# Altium PCB Temp Module B1 Sample.PcbDoc (part 2 of 3)
Units mil, origin at the board's own origin, x right, y up, seen from the top; angles counter-clockwise.
Board outline 5590 x 2795 mil, 4 copper layers (Top Layer, Int1 (GND), Int2 (PWR), Bottom Layer), stack 53.912 mil thick; 273 components, 187 nets, 896 pads, 529 vias.
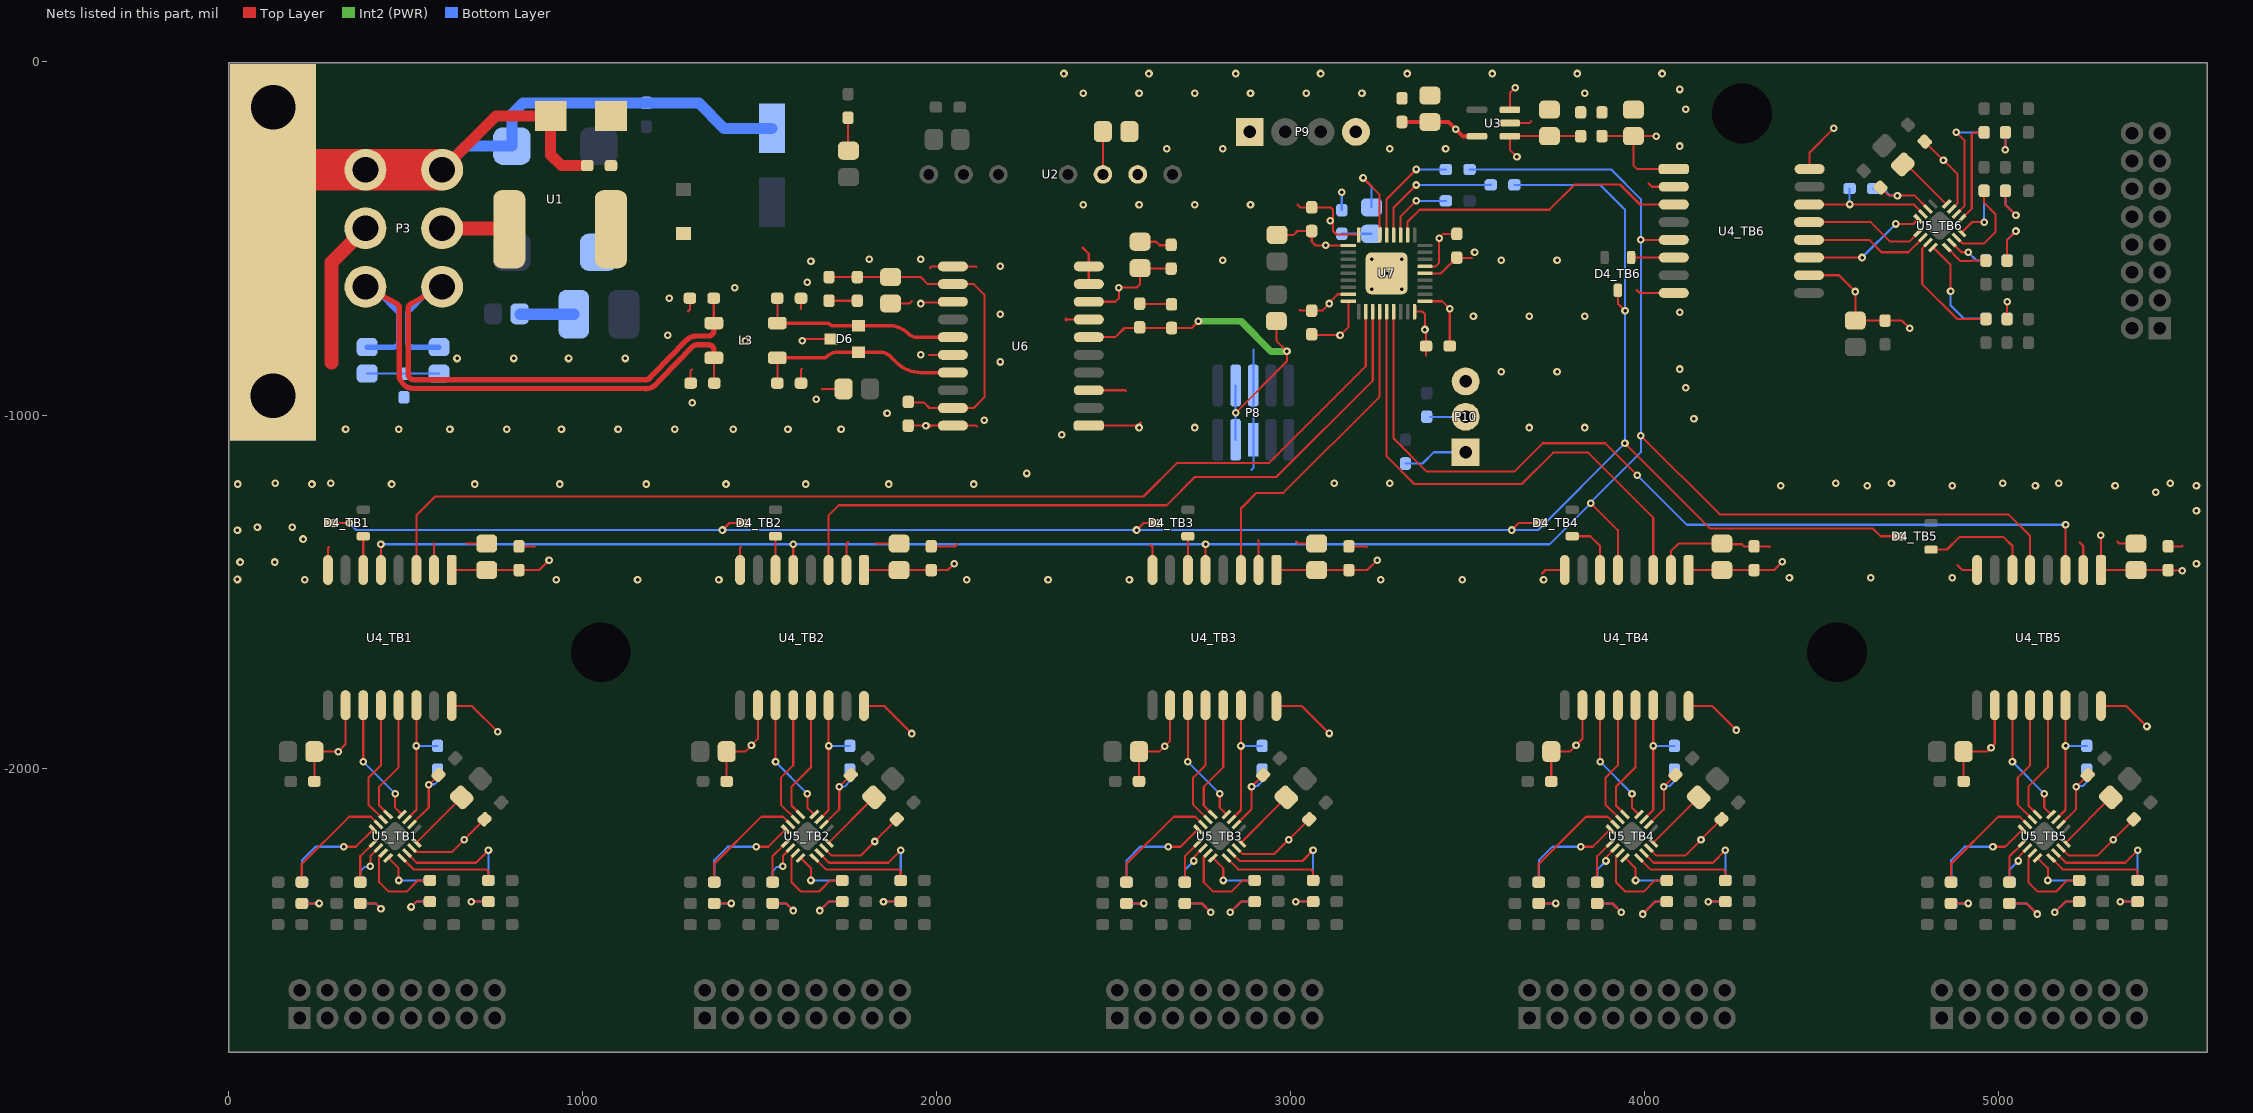
[diagram p4: the nets of this part, all layers, seen from the top]

## Via types
v1: diameter 21.65, hole 9.84, Top Layer to Bottom Layer, 527 vias
v2: diameter 157.48, hole 125.98, Top Layer to Bottom Layer, 2 vias

## Nets (pads, with @x,y where several pads share a name; then routed paths per layer and width w, separated by ;. In a path a pad name is that pad's centre, name@x,y a point inside that pad or via, vN(x,y) a via of type N, cw(c..) or ccw(c..) an arc to the next point about the centre after c; other vN are vias at no path point) (continued)
0V_(ISO): C3.1 C8.1 C9.1 C10.1 C11.1 C17_TB1.1 C17_TB2.1 C17_TB3.1 C17_TB4.1 C17_TB5.1 C17_TB6.1 C18_TB1.1 C18_TB2.1 C18_TB3.1 C18_TB4.1 C18_TB5.1 C18_TB6.1 C28.1 C32.1 C33.1 C35.2 C41.1 C42.1 C43.1 C44.1 P8.5 P8.6 P9.1 P10.3 U2.7 U3.2 U4_TB1.2 U4_TB1.8 U4_TB2.2 U4_TB2.8 U4_TB3.2 U4_TB3.8 U4_TB4.2 U4_TB4.8 U4_TB5.2 U4_TB5.8 U4_TB6.2 U4_TB6.8 U6.1 U6.3 U6.7 U6.9 U6.10 U7.5 U7.18 U7.26 U7.36 U7.37 | length 3367.9
  Top Layer w5.98: U4_TB1.8@280,-1437.98 280,-1376.5 283.46,-1373.03 ; U4_TB1.2@580,-1437.98 580,-1363.9 580.71,-1363.19 ; 672.24,-1362.2 673.22,-1363.18 C17_TB1.1@728.97,-1363.18 ; C18_TB1.1@820,-1371.05 863.18,-1371.05 864.17,-1372.05 ; U4_TB2.8@1445,-1437.98 1445,-1374.88 1446.85,-1373.03 ; U4_TB2.2@1745,-1437.98 1745,-1364.25 1750.98,-1358.27 ; 1827.76,-1362.2 1828.73,-1363.18 C17_TB2.1@1893.97,-1363.18 ; C18_TB2.1@1985,-1371.05 2052.18,-1371.05 2059.06,-1364.17 ; 2366.46,-730 U6.7@2430,-730 ; 2412.4,-526.57 2430,-544.17 U6.10@2430,-580 U6.9@2430,-630 ; U6.1@2430,-1030 2568.43,-1030 2577.76,-1020.67 ; U6.3@2430,-930 2532.36,-930 2534.45,-932.09 ; C28.1@2574.93,-686.16 C33.1@2663,-686.16 ; C35.2@2575,-510.2 2620.2,-510.2 2630.2,-520.2 C32.1@2663.97,-520.2 ; 2604.33,-1367.13 2610,-1372.8 U4_TB3.8@2610,-1437.98 ; 2909.45,-1353.35 2910,-1353.9 U4_TB3.2@2910,-1437.98 ; 3015.75,-1357.28 3021.64,-1363.18 C17_TB3.1@3073.97,-1363.18 ; 3019.68,-405.51 3027.24,-413.07 C41.1@3060,-413.07 3113.07,-413.07 3120,-420 3120,-480 3130,-490 3192.91,-490 3192.99,-490.08 U7.18@3192.99,-491.42 ; 3025.59,-702.76 3027.83,-705 C43.1@3060,-705 3090,-705 v1(3110,-685) ; v1@3110,-685.75 3110,-682.38 3133.64,-658.74 U7.26@3163.46,-658.74 ; C18_TB3.1@3165,-1371.05 3213.57,-1371.05 3215.55,-1373.03 ; U7.36@3350.47,-707.95 3372.95,-707.95 3380,-715 3380,-762.7 3383.07,-765.78 3383.07,-831.5 3382.87,-831.69 ; U7.5@3380,-599.69 3425.31,-599.69 C42.1@3470,-555 3471.1,-556.1 3512.8,-556.1 ; U3.2@3620,-175 3675,-175 3680,-170 ; 3710.63,-1447.83 3720.48,-1437.98 U4_TB4.8@3775,-1437.98 ; 3978.35,-646.65 3986.69,-655 U4_TB6.8@4082.98,-655 ; 4011.81,-345.47 4021.34,-355 U4_TB6.2@4082.98,-355 ; U4_TB4.2@4075,-1437.98 4075,-1384.65 4096.47,-1363.18 C17_TB4.1@4218.97,-1363.18 4220.79,-1365 4275,-1365 4281.05,-1371.05 C18_TB4.1@4310,-1371.05 4352.35,-1371.05 4354.33,-1373.03 ; 4884.84,-1424.21 4898.61,-1437.98 U4_TB5.8@4940,-1437.98 ; 5230.31,-1360.24 5240,-1369.92 U4_TB5.2@5240,-1437.98 ; 5336.61,-1357.28 5342.51,-1363.18 C17_TB5.1@5388.97,-1363.18 ; C18_TB5.1@5480,-1371.05 5518.71,-1371.05 5520.67,-1369.09
  Top Layer w10: 2366.14,-730.32 2366.46,-730 ; C28.1@2573.97,-685.2 C28.1@2574.93,-686.16 ; C33.1@2663,-686.16 C33.1@2663.97,-687.13
  Bottom Layer w5.98: 2890,-1155 2895,-1150 P8.5@2895,-1070 P8.6@2895,-916.46 2895,-815
  other v1: 24.61,-1464.57 215,-1465 925,-1465 1155,-1465 1385,-1465 2085,-1465 2315,-1465 2545,-1465 3255,-1465 3485,-1465 3715,-1465 4410,-1460 4640,-1460 4870,-1460 5560,-1420 31.89,-1415.28 130.32,-1415.28 209.84,-1350.35 24.61,-1325.79 81.1,-1316.85 179.53,-1316.85 5560,-1270 5445.28,-1218.43 4385,-1200 4630,-1200 4870,-1200 5105,-1200 5330,-1200 5560,-1200 25,-1195 235,-1195 460,-1195 695,-1195 935,-1195 1180,-1195 1405,-1195 1630,-1195 1865,-1195 2105,-1195 131.1,-1192.87 288.58,-1192.87 3123.23,-1192.87 3280.71,-1192.87 4540.55,-1192.87 4698.03,-1192.87 5012.99,-1192.87 5170.47,-1192.87 5485.43,-1192.87 2255,-1165 2353.35,-1056.1 2572.05,-1035.39 2729.53,-1035.39 3674.41,-1035.39 3831.89,-1035.39 4140,-1010 4116.54,-923.15 3595.67,-877.91 3753.15,-877.91 4100,-870 3380,-758.46 3516.93,-720.43 3674.41,-720.43 3831.89,-720.43 4100,-710 3230,-645 3315,-645 3271.73,-599.69 2808.27,-562.95 3595.67,-562.95 3753.15,-562.95 3230,-559.25 3315,-559.25 3520,-540 3112.74,-450.74 2414.57,-405.47 2572.05,-405.47 2729.53,-405.47 2887.01,-405.47 2650.79,-247.99 2808.27,-247.99 3280.71,-247.99 3438.19,-247.99 4100,-240 4116.54,-135.75 2414.57,-90.51 2572.05,-90.51 2729.53,-90.51 2887.01,-90.51 3044.49,-90.51 3201.97,-90.51 3831.89,-90.51 4100,-80 2360,-35 2600,-35 2845,-35 3085,-35 3330,-35 3570,-35 3810,-35 4050,-35
3V3: C10.2 C11.2 C28.2 C33.2 C41.2 C42.2 C43.2 C44.2 P8.7 P8.8 P9.4 P10.1 R26.2 R29.2 R30.2 R31.2 U3.5 U6.6 U7.1 U7.6 U7.19 U7.27 | length 2342.3
  Top Layer w5.98: U6.6@2430,-780 2505,-780 2530.94,-754.06 C33.2@2663.97,-754.06 2720.94,-754.06 v1(2740,-735) ; v1(2845,-993.23) 2990,-848.23 v1(2990,-820) 2960,-790 R30.2@2960,-734.8 ; R29.2@2962.06,-490.94 3009.06,-490.94 3020,-480 C41.2@3060,-480 3060,-510 3070.94,-520.94 U7.19@3163.46,-520.94 ; C43.2@3060,-771.93 3061.54,-773.46 3138.46,-773.46 v1(3140,-775) 3163.46,-751.54 U7.27@3163.46,-678.43 ; U7.1@3380,-678.43 3428.43,-678.43 v1(3450,-700) C44.2@3450,-805 ; U7.6@3380,-580 3380.08,-579.92 3410.08,-579.92 3420,-570 v1(3420,-500) 3431.93,-488.07 C42.2@3470,-488.07
  Top Layer w11.81: C10.2@3315,-171.93 C11.2@3393.97,-171.93 3446.93,-171.93 3487.4,-212.4 U3.5@3527,-212.4
  Int2 (PWR) w19.68: v1(2740,-735) 2860,-735 2945,-820 v1(2990,-820)
  Bottom Layer w5.98: P8.7@2845,-1070 v1(2845,-993.23) P8.8@2845,-916.46 ; R26.2@3145,-420.94 v1(3145,-370) ; R31.2@3325,-1136.93 3373.07,-1136.93 3405,-1105 P10.1@3495,-1105
  other v1: 3100,-520 3467.16,-192.16
3V3_TEMP_TB1: C19_TB1.2 C20_TB1.2 C26_TB1.2 C27_TB1.2 R6_TB1.2 R7_TB1.2 R10_TB1.2 R11_TB1.2 R14_TB1.2 R15_TB1.2 R18_TB1.2 R19_TB1.2 R22_TB1.2 U4_TB1.10 U4_TB1.16 U5_TB1.7 U5_TB1.10 | length 1375.6
  Top Layer w5.98: R6_TB1.2@206.22,-2380 v1(255,-2380) ; C20_TB1.2@241.93,-2035 C19_TB1.2@241.93,-1951.03 v1(308.97,-1951.03) 330,-1930 U4_TB1.10@330,-1819.96 ; R14_TB1.2@371.57,-2380 415,-2380 v1(430,-2395) ; v1(515,-2390) 530,-2375 R7_TB1.2@568.43,-2375 ; U5_TB1.7@517.33,-2223.41 517.44,-2223.41 529.13,-2235.1 629.9,-2235.1 C26_TB1.2@722.67,-2142.33 ; U5_TB1.10@517.33,-2156.26 U5_TB1.10@517.33,-2156.59 565,-2108.92 v1(565,-2045) C27_TB1.2@592.67,-2017.33 ; U4_TB1.16@630,-1821.98 686.98,-1821.98 v1(760,-1895) ; v1(685,-2375) R15_TB1.2@733.78,-2375
  Bottom Layer w5.98: R10_TB1.2@206.93,-2380 v1(255,-2380) ; R18_TB1.2@371.57,-2380 415,-2380 v1(430,-2395) ; v1(515,-2390) 530,-2375 R11_TB1.2@568.43,-2375 ; v1(565,-2045) 566.85,-2043.15 581.85,-2043.15 590,-2035 R22_TB1.2@590,-2001.93 ; v1(685,-2375) R19_TB1.2@733.78,-2375
  other v1: 665,-2200
3V3_TEMP_TB2: C19_TB2.2 C20_TB2.2 C26_TB2.2 C27_TB2.2 R6_TB2.2 R7_TB2.2 R10_TB2.2 R11_TB2.2 R14_TB2.2 R15_TB2.2 R18_TB2.2 R19_TB2.2 R22_TB2.2 U4_TB2.10 U4_TB2.16 U5_TB2.7 U5_TB2.10 | length 1421.3
  Top Layer w5.98: R6_TB2.2@1371.22,-2380 v1(1420,-2380) ; C20_TB2.2@1406.93,-2035 C19_TB2.2@1406.93,-1951.03 1458.97,-1951.03 1495,-1915 U4_TB2.10@1495,-1819.96 ; R14_TB2.2@1536.57,-2380 1575,-2380 v1(1595,-2400) ; v1(1670,-2400) 1695,-2375 R7_TB2.2@1733.43,-2375 ; U5_TB2.7@1682.33,-2223.41 1682.44,-2223.41 1704.03,-2245 1785,-2245 C26_TB2.2@1887.67,-2142.33 ; U5_TB2.10@1682.33,-2156.59 1725,-2113.92 v1(1725,-2050) C27_TB2.2@1757.67,-2017.33 ; U4_TB2.16@1795,-1821.98 1851.98,-1821.98 v1(1930,-1900) ; v1(1850,-2375) R15_TB2.2@1898.78,-2375
  Bottom Layer w5.98: R10_TB2.2@1371.93,-2380 v1(1420,-2380) ; R18_TB2.2@1536.57,-2380 1575,-2380 v1(1595,-2400) ; v1(1670,-2400) 1695,-2375 R11_TB2.2@1733.43,-2375 ; v1(1725,-2050) 1725.07,-2049.93 1740.07,-2049.93 1755,-2035 R22_TB2.2@1755,-2001.93 ; v1(1850,-2375) R19_TB2.2@1898.78,-2375
  other v1: 1825,-2205 1476.98,-1933.02
3V3_TEMP_TB3: C19_TB3.2 C20_TB3.2 C26_TB3.2 C27_TB3.2 R6_TB3.2 R7_TB3.2 R10_TB3.2 R11_TB3.2 R14_TB3.2 R15_TB3.2 R18_TB3.2 R19_TB3.2 R22_TB3.2 U4_TB3.10 U4_TB3.16 U5_TB3.7 U5_TB3.10 | length 1483.3
  Top Layer w5.98: R6_TB3.2@2536.22,-2380 v1(2585,-2380) ; C20_TB3.2@2571.93,-2035 C19_TB3.2@2571.93,-1951.03 2628.97,-1951.03 2660,-1920 U4_TB3.10@2660,-1819.96 ; R14_TB3.2@2701.57,-2380 2750,-2380 v1(2775,-2405) ; v1(2830,-2405) 2860,-2375 R7_TB3.2@2898.43,-2375 ; U5_TB3.7@2847.33,-2223.41 2847.44,-2223.41 2864.03,-2240 2955,-2240 C26_TB3.2@3052.67,-2142.33 ; U5_TB3.10@2847.33,-2156.26 U5_TB3.10@2847.33,-2156.59 2890,-2113.92 v1(2890,-2050) C27_TB3.2@2922.67,-2017.33 ; U4_TB3.16@2960,-1821.98 3031.98,-1821.98 v1(3109.72,-1899.72) ; v1(3015,-2375) R15_TB3.2@3063.78,-2375
  Bottom Layer w5.98: R10_TB3.2@2536.93,-2380 v1(2585,-2380) ; R18_TB3.2@2701.57,-2380 2750,-2380 v1(2775,-2405) ; v1(2830,-2405) 2860,-2375 R11_TB3.2@2898.43,-2375 ; v1(2890,-2050) 2891.85,-2048.15 2906.85,-2048.15 2920,-2035 R22_TB3.2@2920,-2001.93 ; v1(3015,-2375) R19_TB3.2@3063.78,-2375
  other v1: 2995,-2200 2644.48,-1935.52
3V3_TEMP_TB4: C19_TB4.2 C20_TB4.2 C26_TB4.2 C27_TB4.2 R6_TB4.2 R7_TB4.2 R10_TB4.2 R11_TB4.2 R14_TB4.2 R15_TB4.2 R18_TB4.2 R19_TB4.2 R22_TB4.2 U4_TB4.10 U4_TB4.16 U5_TB4.7 U5_TB4.10 | length 1459.6
  Top Layer w5.98: R6_TB4.2@3701.22,-2380 v1(3750,-2380) ; C20_TB4.2@3736.93,-2035 C19_TB4.2@3736.93,-1951.03 3788.97,-1951.03 3825,-1915 U4_TB4.10@3825,-1819.96 ; R14_TB4.2@3866.57,-2380 3910,-2380 v1(3935,-2405) ; v1(3995,-2410) 4030,-2375 R7_TB4.2@4063.43,-2375 ; U5_TB4.7@4012.33,-2223.41 4012.44,-2223.41 4034.03,-2245 4115,-2245 C26_TB4.2@4217.67,-2142.33 ; U5_TB4.10@4012.33,-2156.59 4055,-2113.92 v1(4055,-2050) C27_TB4.2@4087.67,-2017.33 ; U4_TB4.16@4125,-1821.98 4191.98,-1821.98 v1(4260,-1890) ; v1(4180,-2375) R15_TB4.2@4228.78,-2375
  Bottom Layer w5.98: R10_TB4.2@3701.93,-2380 v1(3750,-2380) ; R18_TB4.2@3866.57,-2380 3910,-2380 v1(3935,-2405) ; v1(3995,-2410) 4030,-2375 R11_TB4.2@4063.43,-2375 ; v1(4055,-2050) 4056.85,-2048.15 4071.85,-2048.15 4085,-2035 R22_TB4.2@4085,-2001.93 ; v1(4180,-2375) R19_TB4.2@4228.78,-2375
  other v1: 4160,-2200 3806.98,-1933.02
3V3_TEMP_TB5: C19_TB5.2 C20_TB5.2 C26_TB5.2 C27_TB5.2 R6_TB5.2 R7_TB5.2 R10_TB5.2 R11_TB5.2 R14_TB5.2 R15_TB5.2 R18_TB5.2 R19_TB5.2 R22_TB5.2 U4_TB5.10 U4_TB5.16 U5_TB5.7 U5_TB5.10 | length 1480.9
  Top Layer w5.98: R6_TB5.2@4866.22,-2380 v1(4915,-2380) ; C20_TB5.2@4901.93,-2035 C19_TB5.2@4901.93,-1951.03 4968.97,-1951.03 4990,-1930 U4_TB5.10@4990,-1819.96 ; R14_TB5.2@5031.57,-2380 5080,-2380 v1(5110,-2410) ; v1(5160,-2405) 5190,-2375 R7_TB5.2@5228.43,-2375 ; U5_TB5.7@5177.33,-2223.41 5177.44,-2223.41 5199.03,-2245 5280,-2245 C26_TB5.2@5382.67,-2142.33 ; U5_TB5.10@5177.33,-2156.26 U5_TB5.10@5177.33,-2156.59 5220,-2113.92 v1(5220,-2050) C27_TB5.2@5252.67,-2017.33 ; U4_TB5.16@5290,-1821.98 5361.98,-1821.98 v1(5420,-1880) ; v1(5345,-2375) R15_TB5.2@5393.78,-2375
  Bottom Layer w5.98: R10_TB5.2@4866.93,-2380 v1(4915,-2380) ; R18_TB5.2@5031.57,-2380 5080,-2380 v1(5110,-2410) ; v1(5160,-2405) 5190,-2375 R11_TB5.2@5228.43,-2375 ; v1(5220,-2050) 5221.85,-2048.15 5239.14,-2048.15 5250,-2037.29 R22_TB5.2@5250,-2001.93 ; v1(5345,-2375) R19_TB5.2@5393.78,-2375
  other v1: 5325,-2200 4979.48,-1940.52
3V3_TEMP_TB6: C19_TB6.2 C20_TB6.2 C26_TB6.2 C27_TB6.2 R6_TB6.2 R7_TB6.2 R10_TB6.2 R11_TB6.2 R14_TB6.2 R15_TB6.2 R18_TB6.2 R19_TB6.2 R22_TB6.2 U4_TB6.10 U4_TB6.16 U5_TB6.7 U5_TB6.10 | length 1553.3
  Top Layer w5.98: U4_TB6.10@4464.96,-605 4550,-605 v1(4596.03,-651.03) C19_TB6.2@4596.03,-733.07 C20_TB6.2@4680,-733.07 4728.07,-733.07 v1(4750,-755) ; U4_TB6.16@4466.98,-305 4466.98,-258.02 v1(4535,-190) ; C27_TB6.2@4667.33,-357.33 4690,-380 v1(4715,-380) 4763.92,-380 U5_TB6.10@4801.59,-417.67 ; C26_TB6.2@4792.33,-227.33 4885,-320 4885,-400.97 4868.41,-417.56 U5_TB6.7@4868.41,-417.67 ; R7_TB6.2@5020,-366.57 5020,-405 v1(5050,-435) ; v1(5020,-250) R15_TB6.2@5020,-201.22 ; R6_TB6.2@5025,-728.78 v1(5025,-680) ; R14_TB6.2@5025,-563.43 5025,-505 v1(5050,-480)
  Bottom Layer w5.98: R22_TB6.2@4646.93,-360 4675,-360 4695,-380 v1(4715,-380) ; R11_TB6.2@5020,-366.57 5020,-405 v1(5050,-435) ; v1(5020,-250) R19_TB6.2@5020,-201.22 ; R10_TB6.2@5025,-728.07 v1(5025,-680) ; R18_TB6.2@5025,-563.43 5025,-505 v1(5050,-480)
  other v1: 4845,-280
5V: C3.2 C8.2 C9.2 C17_TB1.2 C17_TB2.2 C17_TB3.2 C17_TB4.2 C17_TB5.2 C17_TB6.2 C18_TB1.2 C18_TB2.2 C18_TB3.2 C18_TB4.2 C18_TB5.2 C18_TB6.2 C32.2 C35.1 U2.6 U3.1 U3.3 U4_TB1.1 U4_TB2.1 U4_TB3.1 U4_TB4.1 U4_TB5.1 U4_TB6.1 U6.8 | length 2545.2
  Top Layer w5.98: U4_TB1.1@630,-1437.98 C17_TB1.2@728.97,-1437.98 C18_TB1.2@820,-1437.98 877.02,-1437.98 v1(905,-1410) ; U4_TB2.1@1795,-1437.98 C17_TB2.2@1893.97,-1437.98 C18_TB2.2@1981.05,-1437.98 ; C18_TB2.2@1985,-1437.98 2032.02,-1437.98 v1(2050,-1420) ; U6.8@2430,-680 2505,-680 2515,-670 v1(2515,-640) 2565,-640 2575,-630 C35.1@2575,-585 2576.06,-586.06 C32.2@2662.9,-586.06 C32.2@2663.97,-587.13 ; U2.6@2470,-320 C3.2@2470,-198.97 ; U4_TB3.1@2960,-1437.98 C17_TB3.2@3073.97,-1437.98 C18_TB3.2@3165,-1437.98 3217.02,-1437.98 v1(3245,-1410) ; U3.1@3620,-212.4 3620,-250 v1(3640,-270) ; U3.3@3620,-137.6 3620,-90 v1(3635,-75) ; U3.1@3647.4,-211.93 C8.2@3731.71,-211.93 C9.2@3820,-211.93 ; C18_TB6.2@3880,-211.93 C17_TB6.2@3968.97,-211.93 ; v1(4033.07,-211.93) C17_TB6.2@3968.97,-211.93 ; U4_TB6.1@4082.98,-305 3980,-305 3968.97,-293.97 C17_TB6.2@3968.97,-211.93 ; U4_TB4.1@4125,-1437.98 C17_TB4.2@4218.97,-1437.98 C18_TB4.2@4310,-1437.98 4367.02,-1437.98 v1(4390,-1415) ; v1(5290,-1340) U4_TB5.1@5290,-1437.98 C17_TB5.2@5388.97,-1437.98 C18_TB5.2@5480,-1437.98 5481.01,-1438.99 5518.99,-1438.99 v1(5520,-1440)
"5V (CAN)": C29.2 C30.2 C31.2 C34.1 U6.12 U6.19 | length 984.1
  Top Layer w5.98: C29.2@1696.03,-610 C31.2@1776.03,-610 C34.1@1870,-610 1955,-610 1975,-630 U6.12@2046,-630 2105,-630 2135,-660 2135,-950 2105,-980 U6.19@2046,-980 1980,-980 1965,-965 1921.93,-965 C30.2@1920,-963.07
BOOT0: P10.2 R32.1 | length 100
  Bottom Layer w5.98: R32.1@3395,-1005 P10.2@3495,-1005
CAN_N: C38.2 L3.1 P3.4 R25.1 | length 1669
  Top Layer w5.98: C38.2@1371.4,-909.47 L3.1@1371.4,-838.96
  Top Layer w15: P3.4@386.27,-637.78 474.09,-684.82 cw(c467,-698.04) 482,-698.17 ccw(c522,-698.54) 482,-698.55 482.04,-794.95 482.05,-859.16 482.05,-879.95 482.05,-884.99 482.05,-892.46 ccw(c494.55,-892.46) 483.77,-898.78 487.55,-905.23 ccw(c522.05,-884.99) 522.12,-924.99 629.98,-924.88 765.03,-925 1178.49,-925.35 ccw(c1178.53,-885.35) 1207.27,-913.18 ; 1207.27,-913.17 1220.02,-899.98 ; 1220.03,-899.97 1310.58,-806.29 cw(c1321.36,-816.71) 1321.36,-801.71 1355.87,-801.71 cw(c1355.87,-816.71) 1370.87,-816.71 L3.1@1370.87,-838.43 L3.1@1371.4,-838.96 ; C38.2@1371.4,-909.47 C38.2@1371.93,-910
  Bottom Layer w15: P3.4@386.27,-637.78 cw(c386.27,-689.72) 422.99,-652.99 480,-710 480,-793.07 cw(c465,-793.07) 475.61,-803.68 cw(c465,-793.07) 465,-808.07 R25.1@391.03,-808.07
CAN_P: C37.2 L3.2 P3.1 R23.2 | length 1631.3
  Top Layer w5.98: L3.2@1370.43,-739.57 C37.2@1370.43,-670.43
  Top Layer w15: P3.1@602.8,-637.78 514.87,-685.34 ccw(c522,-698.54) 507,-698.54 507.04,-794.94 507.05,-859.16 cw(c482.05,-859.16) 507.05,-859.23 507.05,-879.95 507.05,-884.99 cw(c482.05,-884.99) 507.05,-885.06 507.05,-889.06 509.11,-892.58 ccw(c522.05,-884.99) 522.08,-899.99 629.87,-899.88 cw(c629.98,-924.88) 630,-899.88 764.99,-900 cw(c765.03,-925) 765.05,-900 1178.51,-900.35 ccw(c1178.53,-885.35) 1189.27,-895.82 ; 1189.3,-895.79 1202.04,-882.61 1292.6,-788.91 cw(c1321.36,-816.71) 1321.36,-776.71 1355.87,-776.71 ccw(c1355.87,-761.71) 1370.87,-761.71 L3.2@1370.87,-740 L3.2@1370.43,-739.57 ; C37.2@1370,-670 C37.2@1370.43,-670.43
  Bottom Layer w15: R23.2@593.97,-808.07 520,-808.07 cw(c520,-793.07) 509.39,-803.68 cw(c520,-793.07) 505,-793.07 505,-710 559.13,-655.87 cw(c602.8,-699.55) P3.1@602.8,-637.78
CANS: C29.1 C30.1 C31.1 C34.2 C36.1 C37.1 C38.1 C39.1 C40.1 D6.3 P3.5 R24.1 U6.11 U6.13 U6.16 U6.20 | length 1341.1
  Top Layer w5.98: 1298.23,-706.69 1303.07,-701.85 C37.1@1303.07,-670 ; C38.1@1305,-910 1305,-875.12 1309.06,-871.06 ; v1@1615,-795 1625,-785 D6.3@1700.63,-785 ; 1615.16,-700.79 1616.93,-699.02 C40.1@1616.93,-670 ; C39.1@1616.93,-910 1616.93,-872.24 1619.09,-870.08 ; 1676.18,-927.17 1677.32,-926.03 R24.1@1737.13,-926.03 ; C29.1@1696.03,-676.93 C31.1@1776.03,-676.93 ; C34.2@1870,-684.8 1923.47,-684.8 1930.12,-678.15 ; C30.1@1920,-1030 v1(1970,-1030) ; v1(1955,-685) 1957.5,-682.5 2043.5,-682.5 U6.13@2046,-680 ; 1978.35,-830.71 1979.06,-830 U6.16@2046,-830 ; 1982.28,-583.66 1985.94,-580 U6.11@2045.96,-580 2110.51,-580 2112.2,-581.69 ; 1982.8,-1030 U6.20@2046,-1030 2111.69,-1030 2114.17,-1032.48
  Top Layer w10: 1982.28,-1030.51 1982.8,-1030
  Top Layer w39.37: 290,-851.7 290,-568.69 P3.5@386.27,-472.43
  other v1: 330,-1040 480,-1040 625,-1040 785,-1040 940,-1040 1100,-1040 1260,-1040 1425,-1040 1580,-1040 1730,-1040 2135,-1015 1860,-995 1310,-965 1660,-955 2180,-850 645,-840 805,-840 960,-840 1120,-840 1955,-830 1460,-790 1620,-790 1240,-775 2180,-715 1245,-670 1430,-640 1635,-625 2180,-580 1645,-565 1810,-560 1955,-560
"Cell 1_TB1": R8_TB1.1 U5_TB1.15 | length 332
  Top Layer w5.98: R8_TB1.1@206.22,-2320 206.22,-2268.78 340,-2135 401.08,-2135 U5_TB1.15@422.67,-2156.59
"Cell 1_TB2": R8_TB2.1 U5_TB2.15 | length 332
  Top Layer w5.98: R8_TB2.1@1371.22,-2320 1371.22,-2268.78 1505,-2135 1566.08,-2135 U5_TB2.15@1587.67,-2156.59
"Cell 1_TB3": R8_TB3.1 U5_TB3.15 | length 332
  Top Layer w5.98: R8_TB3.1@2536.22,-2320 2536.22,-2268.78 2670,-2135 2731.08,-2135 U5_TB3.15@2752.67,-2156.59
"Cell 1_TB4": R8_TB4.1 U5_TB4.15 | length 332
  Top Layer w5.98: R8_TB4.1@3701.22,-2320 3701.22,-2268.78 3835,-2135 3896.08,-2135 U5_TB4.15@3917.67,-2156.59
"Cell 1_TB5": R8_TB5.1 U5_TB5.15 | length 332
  Top Layer w5.98: R8_TB5.1@4866.22,-2320 4866.22,-2268.78 5000,-2135 5061.08,-2135 U5_TB5.15@5082.67,-2156.59
"Cell 1_TB6": R8_TB6.1 U5_TB6.15 | length 345.5
  Top Layer w5.98: U5_TB6.15@4801.59,-512.33 4785,-528.92 4785,-630 4883.78,-728.78 R8_TB6.1@4965,-728.78
"Cell 2_TB1": R12_TB1.1 U5_TB1.16 | length 300
  Top Layer w5.98: v1(325,-2220) 359.27,-2220 U5_TB1.16@408.75,-2170.51
  Bottom Layer w5.98: R12_TB1.1@206.93,-2320 206.93,-2258.07 245,-2220 v1(325,-2220)
"Cell 2_TB2": R12_TB2.1 U5_TB2.16 | length 300
  Top Layer w5.98: v1(1490,-2220) 1524.27,-2220 U5_TB2.16@1573.75,-2170.51
  Bottom Layer w5.98: R12_TB2.1@1371.93,-2320 1371.93,-2258.07 1410,-2220 v1(1490,-2220)
"Cell 2_TB3": R12_TB3.1 U5_TB3.16 | length 300
  Top Layer w5.98: v1(2655,-2220) 2689.27,-2220 U5_TB3.16@2738.75,-2170.51
  Bottom Layer w5.98: R12_TB3.1@2536.93,-2320 2536.93,-2258.07 2575,-2220 v1(2655,-2220)
"Cell 2_TB4": R12_TB4.1 U5_TB4.16 | length 300
  Top Layer w5.98: v1(3820,-2220) 3854.27,-2220 U5_TB4.16@3903.75,-2170.51
  Bottom Layer w5.98: R12_TB4.1@3701.93,-2320 3701.93,-2258.07 3740,-2220 v1(3820,-2220)
"Cell 2_TB5": R12_TB5.1 U5_TB5.16 | length 300
  Top Layer w5.98: v1(4985,-2220) 5019.27,-2220 U5_TB5.16@5068.75,-2170.51
  Bottom Layer w5.98: R12_TB5.1@4866.93,-2320 4866.93,-2258.07 4905,-2220 v1(4985,-2220)
"Cell 2_TB6": R12_TB6.1 U5_TB6.16 | length 300
  Top Layer w5.98: U5_TB6.16@4815.51,-526.25 4865,-575.73 v1(4865,-650)
  Bottom Layer w5.98: v1(4865,-650) 4865,-690 4903.07,-728.07 R12_TB6.1@4965,-728.07
"Cell 3_TB1": R16_TB1.1 U5_TB1.1 | length 125.9
  Top Layer w5.98: R16_TB1.1@371.57,-2320 371.57,-2246.67 U5_TB1.1@408.75,-2209.49
"Cell 3_TB2": R16_TB2.1 U5_TB2.1 | length 125.9
  Top Layer w5.98: R16_TB2.1@1536.57,-2320 1536.57,-2246.67 U5_TB2.1@1573.75,-2209.49
"Cell 3_TB3": R16_TB3.1 U5_TB3.1 | length 125.9
  Top Layer w5.98: R16_TB3.1@2701.57,-2320 2701.57,-2246.67 U5_TB3.1@2738.75,-2209.49
"Cell 3_TB4": R16_TB4.1 U5_TB4.1 | length 125.9
  Top Layer w5.98: R16_TB4.1@3866.57,-2320 3866.57,-2246.67 U5_TB4.1@3903.75,-2209.49
"Cell 3_TB5": R16_TB5.1 U5_TB5.1 | length 125.9
  Top Layer w5.98: R16_TB5.1@5031.57,-2320 5031.57,-2246.67 U5_TB5.1@5068.75,-2209.49
"Cell 3_TB6": R16_TB6.1 U5_TB6.1 | length 127
  Top Layer w5.98: U5_TB6.1@4854.49,-526.25 4892.93,-564.68 4925.29,-564.68 4926.55,-563.43 R16_TB6.1@4965,-563.43
"Cell 4_TB1": R20_TB1.1 U5_TB1.2 | length 126.2
  Top Layer w5.98: v1(400,-2275) 400.92,-2274.08 400.92,-2245.16 U5_TB1.2@422.67,-2223.41
  Bottom Layer w5.98: R20_TB1.1@371.75,-2320.18 371.75,-2288.96 383.85,-2276.85 398.15,-2276.85 v1(400,-2275)
"Cell 4_TB2": R20_TB2.1 U5_TB2.2 | length 126.2
  Top Layer w5.98: v1(1565,-2275) 1565.92,-2274.08 1565.92,-2245.16 U5_TB2.2@1587.67,-2223.41
  Bottom Layer w5.98: R20_TB2.1@1536.75,-2320.18 1536.75,-2288.96 1548.85,-2276.85 1563.15,-2276.85 v1(1565,-2275)
"Cell 4_TB3": R20_TB3.1 U5_TB3.2 | length 117.9
  Top Layer w5.98: v1(2726.42,-2260) 2726.85,-2259.56 2726.85,-2249.23 U5_TB3.2@2752.67,-2223.41
  Bottom Layer w5.98: R20_TB3.1@2701.75,-2320.18 2701.75,-2284.67 v1(2726.42,-2260)
"Cell 4_TB4": R20_TB4.1 U5_TB4.2 | length 117.9
  Top Layer w5.98: v1(3891.42,-2260) 3891.85,-2259.56 3891.85,-2249.23 U5_TB4.2@3917.67,-2223.41
  Bottom Layer w5.98: R20_TB4.1@3866.75,-2320.18 3866.75,-2284.67 v1(3891.42,-2260)
"Cell 4_TB5": R20_TB5.1 U5_TB5.2 | length 117.9
  Top Layer w5.98: v1(5056.42,-2260) 5056.85,-2259.56 5056.85,-2249.23 U5_TB5.2@5082.67,-2223.41
  Bottom Layer w5.98: R20_TB5.1@5031.75,-2320.18 5031.75,-2284.67 v1(5056.42,-2260)
"Cell 4_TB6": R20_TB6.1 U5_TB6.2 | length 117.9
  Top Layer w5.98: U5_TB6.2@4868.41,-512.33 4895.92,-539.84 v1(4915,-539.84)
  Bottom Layer w5.98: v1(4915,-539.84) 4938.41,-563.25 R20_TB6.1@4965.18,-563.25
"Cell 5_TB1": R9_TB1.1 U5_TB1.3 | length 255.2
  Top Layer w5.98: U5_TB1.3@436.59,-2237.33 436.59,-2237.44 424.9,-2249.13 424.9,-2263.46 425,-2263.56 425,-2320 451.78,-2346.78 502.91,-2346.78 534.69,-2315 R9_TB1.1@568.43,-2315
"Cell 5_TB2": R9_TB2.1 U5_TB2.3 | length 255.2
  Top Layer w5.98: U5_TB2.3@1601.59,-2237.33 1601.59,-2237.44 1589.9,-2249.13 1589.9,-2263.46 1590,-2263.56 1590,-2320 1616.78,-2346.78 1667.91,-2346.78 1699.69,-2315 R9_TB2.1@1733.43,-2315
"Cell 5_TB3": R9_TB3.1 U5_TB3.3 | length 255.2
  Top Layer w5.98: U5_TB3.3@2766.59,-2237.33 2766.59,-2237.44 2754.9,-2249.13 2754.9,-2263.46 2755,-2263.56 2755,-2320 2781.78,-2346.78 2832.91,-2346.78 2864.69,-2315 R9_TB3.1@2898.43,-2315
"Cell 5_TB4": R9_TB4.1 U5_TB4.3 | length 255.2
  Top Layer w5.98: U5_TB4.3@3931.59,-2237.33 3931.59,-2237.44 3919.9,-2249.13 3919.9,-2263.46 3920,-2263.56 3920,-2320 3946.78,-2346.78 3997.91,-2346.78 4029.69,-2315 R9_TB4.1@4063.43,-2315
"Cell 5_TB5": R9_TB5.1 U5_TB5.3 | length 255.2
  Top Layer w5.98: U5_TB5.3@5096.59,-2237.33 5096.59,-2237.44 5084.9,-2249.13 5084.9,-2263.46 5085,-2263.56 5085,-2320 5111.78,-2346.78 5162.91,-2346.78 5194.69,-2315 R9_TB5.1@5228.43,-2315
"Cell 5_TB6": R9_TB6.1 U5_TB6.3 | length 259.3
  Top Layer w5.98: U5_TB6.3@4882.33,-498.41 4898.92,-515 4960,-515 4991.78,-483.22 4991.78,-432.09 4960,-400.31 R9_TB6.1@4960,-366.57
"Cell 6_TB1": R13_TB1.1 U5_TB1.4 | length 164.4
  Top Layer w5.98: U5_TB1.4@450.51,-2251.25 480,-2280.73 v1(480,-2315)
  Bottom Layer w5.98: v1(480,-2315) R13_TB1.1@568.43,-2315
"Cell 6_TB2": R13_TB2.1 U5_TB2.4 | length 164.4
  Top Layer w5.98: U5_TB2.4@1615.51,-2251.25 1645,-2280.73 v1(1645,-2315)
  Bottom Layer w5.98: v1(1645,-2315) R13_TB2.1@1733.43,-2315
"Cell 6_TB3": R13_TB3.1 U5_TB3.4 | length 164.4
  Top Layer w5.98: U5_TB3.4@2780.51,-2251.25 2810,-2280.73 v1(2810,-2315)
  Bottom Layer w5.98: v1(2810,-2315) R13_TB3.1@2898.43,-2315
"Cell 6_TB4": R13_TB4.1 U5_TB4.4 | length 164.4
  Top Layer w5.98: U5_TB4.4@3945.51,-2251.25 3975,-2280.73 v1(3975,-2315)
  Bottom Layer w5.98: v1(3975,-2315) R13_TB4.1@4063.43,-2315
"Cell 6_TB5": R13_TB5.1 U5_TB5.4 | length 164.4
  Top Layer w5.98: U5_TB5.4@5110.51,-2251.25 5140,-2280.73 v1(5140,-2315)
  Bottom Layer w5.98: v1(5140,-2315) R13_TB5.1@5228.43,-2315
"Cell 6_TB6": R13_TB6.1 U5_TB6.4 | length 164.4
  Top Layer w5.98: U5_TB6.4@4896.25,-484.49 4925.73,-455 v1(4960,-455)
  Bottom Layer w5.98: v1(4960,-455) R13_TB6.1@4960,-366.57
"Cell 7_TB1": R17_TB1.1 U5_TB1.5 | length 285.6
  Top Layer w5.98: U5_TB1.5@489.49,-2251.25 522.02,-2283.78 727.92,-2283.78 733.78,-2289.64 R17_TB1.1@733.78,-2315
"Cell 7_TB2": R17_TB2.1 U5_TB2.5 | length 285.6
  Top Layer w5.98: U5_TB2.5@1654.49,-2251.25 1687.02,-2283.78 1892.92,-2283.78 1898.78,-2289.64 R17_TB2.1@1898.78,-2315
"Cell 7_TB3": R17_TB3.1 U5_TB3.5 | length 285.6
  Top Layer w5.98: U5_TB3.5@2819.49,-2251.25 2852.02,-2283.78 3057.92,-2283.78 3063.78,-2289.64 R17_TB3.1@3063.78,-2315
"Cell 7_TB4": R17_TB4.1 U5_TB4.5 | length 285.6
  Top Layer w5.98: U5_TB4.5@3984.49,-2251.25 4017.02,-2283.78 4222.92,-2283.78 4228.78,-2289.64 R17_TB4.1@4228.78,-2315
"Cell 7_TB5": R17_TB5.1 U5_TB5.5 | length 285.6
  Top Layer w5.98: U5_TB5.5@5149.49,-2251.25 5182.02,-2283.78 5387.92,-2283.78 5393.78,-2289.64 R17_TB5.1@5393.78,-2315
"Cell 7_TB6": R17_TB6.1 U5_TB6.5 | length 287.8
  Top Layer w5.98: U5_TB6.5@4896.25,-445.51 4896.25,-445.4 4925,-416.65 4925,-207.08 4930.86,-201.22 R17_TB6.1@4960,-201.22
"Cell 8_TB1": R21_TB1.1 U5_TB1.6 | length 342.9
  Top Layer w5.98: U5_TB1.6@503.41,-2237.33 503.52,-2237.33 531.19,-2265 698.78,-2265 v1(733.78,-2230)
  Bottom Layer w5.98: v1@730,-2230 730,-2232.62 733.78,-2236.4 R21_TB1.1@733.78,-2315
"Cell 8_TB2": R21_TB2.1 U5_TB2.6 | length 342.9
  Top Layer w5.98: U5_TB2.6@1668.41,-2237.33 1668.52,-2237.33 1696.19,-2265 1863.78,-2265 v1(1898.78,-2230)
  Bottom Layer w5.98: v1@1895,-2230 1895,-2232.62 1898.78,-2236.4 R21_TB2.1@1898.78,-2315
"Cell 8_TB3": R21_TB3.1 U5_TB3.6 | length 338.8
  Top Layer w5.98: U5_TB3.6@2833.41,-2237.33 2833.52,-2237.33 2856.19,-2260 3033.78,-2260 v1(3063.78,-2230)
  Bottom Layer w5.98: v1@3060,-2230 3060,-2232.62 3063.78,-2236.4 R21_TB3.1@3063.78,-2315
"Cell 8_TB4": R21_TB4.1 U5_TB4.6 | length 342.9
  Top Layer w5.98: U5_TB4.6@3998.41,-2237.33 3998.52,-2237.33 4026.19,-2265 4193.78,-2265 v1(4228.78,-2230)
  Bottom Layer w5.98: v1@4225,-2230 4225,-2232.62 4228.78,-2236.4 R21_TB4.1@4228.78,-2315
"Cell 8_TB5": R21_TB5.1 U5_TB5.6 | length 342.9
  Top Layer w5.98: U5_TB5.6@5163.41,-2237.33 5163.52,-2237.33 5191.19,-2265 5358.78,-2265 v1(5393.78,-2230)
  Bottom Layer w5.98: v1@5390,-2230 5390,-2232.62 5393.78,-2236.4 R21_TB5.1@5393.78,-2315
"Cell 8_TB6": R21_TB6.1 U5_TB6.6 | length 328.1
  Top Layer w5.98: v1(4881.4,-201.22) 4905,-224.82 4905,-408.81 4882.33,-431.48 U5_TB6.6@4882.33,-431.59
  Bottom Layer w5.98: v1(4881.4,-201.22) R21_TB6.1@4960,-201.22
CLK_ADC_TB1: U4_TB1.13 U5_TB1.13 | length 342.1
  Top Layer w5.98: U5_TB1.13@450.51,-2128.75 425,-2103.24 425,-2050 480,-1995 U4_TB1.13@480,-1819.96
CLK_ADC_TB2: U4_TB2.13 U5_TB2.13 | length 342.1
  Top Layer w5.98: U5_TB2.13@1615.51,-2128.75 1590,-2103.24 1590,-2050 1645,-1995 U4_TB2.13@1645,-1819.96
CLK_ADC_TB3: U4_TB3.13 U5_TB3.13 | length 342.1
  Top Layer w5.98: U5_TB3.13@2780.51,-2128.75 2755,-2103.24 2755,-2050 2810,-1995 U4_TB3.13@2810,-1819.96
CLK_ADC_TB4: U4_TB4.13 U5_TB4.13 | length 342.1
  Top Layer w5.98: U5_TB4.13@3945.51,-2128.75 3920,-2103.24 3920,-2050 3975,-1995 U4_TB4.13@3975,-1819.96
CLK_ADC_TB5: U4_TB5.13 U5_TB5.13 | length 342.1
  Top Layer w5.98: U5_TB5.13@5110.51,-2128.75 5085,-2103.24 5085,-2050 5140,-1995 U4_TB5.13@5140,-1819.96
CLK_ADC_TB6: U4_TB6.13 U5_TB6.13 | length 342.1
  Top Layer w5.98: U4_TB6.13@4464.96,-455 4640,-455 4695,-510 4748.24,-510 U5_TB6.13@4773.75,-484.49
CS1: U4_TB1.3 U7.29 | length 3165.7
  Top Layer w5.98: U4_TB1.3@530,-1437.98 530,-1283.98 583.66,-1230.32 2584.68,-1230.32 2680,-1135 2940,-1135 3212.68,-862.32 U7.29@3212.68,-707.95
CS2: U4_TB2.3 U7.30 | length 2044.2
  Top Layer w5.98: U4_TB2.3@1695,-1437.98 1695,-1283.62 1723.62,-1255 2650,-1255 2730,-1175 2960,-1175 3232.36,-902.64 U7.30@3232.36,-707.95
CS3: U4_TB3.3 U7.31 | length 936.9
  Top Layer w5.98: U4_TB3.3@2860,-1437.98 2860,-1264.02 2904.02,-1220 2980,-1220 3252.05,-947.95 U7.31@3252.05,-707.95
CS4: U4_TB4.3 U7.32 | length 1455.4
  Top Layer w5.98: U7.32@3271.73,-707.95 3271.73,-1116.73 3350,-1195 3653.43,-1195 3742.13,-1106.3 3841.54,-1106.3 4025,-1289.76 U4_TB4.3@4025,-1437.98
CS5: U4_TB5.3 U7.33 | length 2552.4
  Top Layer w5.98: U7.33@3291.42,-707.95 3291.42,-1066.42 3385,-1160 3632.32,-1160 3712.6,-1079.72 3889.72,-1079.72 v1(3980,-1170)
  Top Layer w6: U4_TB5.3@5190,-1437.98 v1(5190,-1310)
  Bottom Layer w5.98: v1(3980,-1170) 4120,-1310 v1(5190,-1310)
CS6: U4_TB6.3 U7.11 | length 856.7
  Top Layer w5.98: U7.11@3330.79,-491.42 3330.79,-454.21 3365,-420 3731.3,-420 3802.87,-348.43 3931.1,-348.43 3987.68,-405 U4_TB6.3@4082.98,-405
CS_ADC_TB1: R22_TB1.1 U4_TB1.14 U5_TB1.11 | length 393.7
  Top Layer w5.98: U5_TB1.11@503.41,-2142.67 530,-2116.08 v1(530,-1935) U4_TB1.14@530,-1819.96
  Bottom Layer w5.98: v1(530,-1935) R22_TB1.1@590,-1935
CS_ADC_TB2: R22_TB2.1 U4_TB2.14 U5_TB2.11 | length 393.7
  Top Layer w5.98: U5_TB2.11@1668.41,-2142.67 1695,-2116.08 v1(1695,-1935) U4_TB2.14@1695,-1819.96
  Bottom Layer w5.98: v1(1695,-1935) R22_TB2.1@1755,-1935
CS_ADC_TB3: R22_TB3.1 U4_TB3.14 U5_TB3.11 | length 393.7
  Top Layer w5.98: U5_TB3.11@2833.41,-2142.67 2860,-2116.08 v1(2860,-1935) U4_TB3.14@2860,-1819.96
  Bottom Layer w5.98: v1(2860,-1935) R22_TB3.1@2920,-1935
CS_ADC_TB4: R22_TB4.1 U4_TB4.14 U5_TB4.11 | length 393.7
  Top Layer w5.98: U5_TB4.11@3998.41,-2142.67 4025,-2116.08 v1(4025,-1935) U4_TB4.14@4025,-1819.96
  Bottom Layer w5.98: v1(4025,-1935) R22_TB4.1@4085,-1935
CS_ADC_TB5: R22_TB5.1 U4_TB5.14 U5_TB5.11 | length 393.7
  Top Layer w5.98: U5_TB5.11@5163.41,-2142.67 5190,-2116.08 v1(5190,-1935) U4_TB5.14@5190,-1819.96
  Bottom Layer w5.98: v1(5190,-1935) R22_TB5.1@5250,-1935
CS_ADC_TB6: R22_TB6.1 U4_TB6.14 U5_TB6.11 | length 378.7
  Top Layer w5.98: U4_TB6.14@4464.96,-405 4761.08,-405 U5_TB6.11@4787.67,-431.59
  Bottom Layer w5.98: v1(4580,-405) R22_TB6.1@4580,-360
GLV+: F1.1 P3.2 | length 190.9
  Top Layer w5.98: F1.1@790.02,-472.43 F1.1@792.6,-475
  Top Layer w39.37: P3.2@602.8,-472.43 F1.1@790.02,-472.43
GLV-: C4.1 C5.1 C6.1 D3.K P3.3 P3.6 pad.9 U1.4 | length 2330.6
  Top Layer w5.98: pad.9@125,-540 125,-424.12 pad.9@242.05,-307.07
  Top Layer w31.5: P3.3@602.8,-307.07 754.88,-155 D3.K@909.53,-155 909.53,-264.53 940,-295 C4.1@1013.07,-295
  Top Layer w118.11: pad.9@242.05,-307.07 P3.6@386.27,-307.07 P3.3@602.8,-307.07
  Bottom Layer w31.5: P3.3@602.8,-307.07 669.88,-240 U1.4@800.12,-240 800.12,-149.88 831.93,-118.07 C5.1@1180,-118.07 1328.07,-118.07 1400,-190 C6.1@1535,-190
  other v2: 125,-945 125.98,-130
HB: D7.K U7.15 | length 273.9
  Top Layer w5.98: v1(3205,-330) 3252.05,-377.05 U7.15@3252.05,-491.42
  Bottom Layer w5.98: v1(3205,-330) 3228.97,-353.97 D7.K@3228.97,-413.07
MISO_ADC_TB1: U4_TB1.11 U5_TB1.12 | length 354.1
  Top Layer w5.98: v1(380,-1980) U4_TB1.11@380,-1819.96 ; v1(470,-2070) 470,-2109.27 U5_TB1.12@489.49,-2128.75
  Bottom Layer w5.98: v1(380,-1980) v1(470,-2070)
MISO_ADC_TB2: U4_TB2.11 U5_TB2.12 | length 354.1
  Top Layer w5.98: v1(1545,-1980) U4_TB2.11@1545,-1819.96 ; v1(1635,-2070) 1635,-2109.27 U5_TB2.12@1654.49,-2128.75
  Bottom Layer w5.98: v1(1545,-1980) v1(1635,-2070)
MISO_ADC_TB3: U4_TB3.11 U5_TB3.12 | length 354.1
  Top Layer w5.98: v1(2710,-1980) U4_TB3.11@2710,-1819.96 ; v1(2800,-2070) 2800,-2109.27 U5_TB3.12@2819.49,-2128.75
  Bottom Layer w5.98: v1(2710,-1980) v1(2800,-2070)
MISO_ADC_TB4: U4_TB4.11 U5_TB4.12 | length 354.1
  Top Layer w5.98: v1(3875,-1980) U4_TB4.11@3875,-1819.96 ; v1(3965,-2070) 3965,-2109.27 U5_TB4.12@3984.49,-2128.75
  Bottom Layer w5.98: v1(3875,-1980) v1(3965,-2070)
MISO_ADC_TB5: U4_TB5.11 U5_TB5.12 | length 354.1
  Top Layer w5.98: v1(5040,-1980) U4_TB5.11@5040,-1819.96 ; v1(5130,-2070) 5130,-2109.27 U5_TB5.12@5149.49,-2128.75
  Bottom Layer w5.98: v1(5040,-1980) v1(5130,-2070)
MISO_ADC_TB6: U4_TB6.11 U5_TB6.12 | length 354.1
  Top Layer w5.98: U4_TB6.11@4464.96,-555 v1(4615,-555) ; v1(4710,-460) 4759.27,-460 U5_TB6.12@4773.75,-445.51
  Bottom Layer w5.98: v1(4615,-555) v1(4710,-460)
MOSI_ADC_TB1: U4_TB1.12 U5_TB1.14 | length 354.4
  Top Layer w5.98: U4_TB1.12@430,-1819.96 430,-1990 395,-2025 395,-2100.75 436.59,-2142.34 U5_TB1.14@436.59,-2142.67
MOSI_ADC_TB2: U4_TB2.12 U5_TB2.14 | length 354.4
  Top Layer w5.98: U4_TB2.12@1595,-1819.96 1595,-1990 1560,-2025 1560,-2100.75 1601.59,-2142.34 U5_TB2.14@1601.59,-2142.67
MOSI_ADC_TB3: U4_TB3.12 U5_TB3.14 | length 354.4
  Top Layer w5.98: U4_TB3.12@2760,-1819.96 2760,-1990 2725,-2025 2725,-2100.75 2766.59,-2142.34 U5_TB3.14@2766.59,-2142.67
MOSI_ADC_TB4: U4_TB4.12 U5_TB4.14 | length 354.4
  Top Layer w5.98: U4_TB4.12@3925,-1819.96 3925,-1990 3890,-2025 3890,-2100.75 3931.59,-2142.34 U5_TB4.14@3931.59,-2142.67
MOSI_ADC_TB5: U4_TB5.12 U5_TB5.14 | length 354.4
  Top Layer w5.98: U4_TB5.12@5090,-1819.96 5090,-1990 5055,-2025 5055,-2100.75 5096.59,-2142.34 U5_TB5.14@5096.59,-2142.67
MOSI_ADC_TB6: U4_TB6.12 U5_TB6.14 | length 354.4
  Top Layer w5.98: U4_TB6.12@4464.96,-505 4635,-505 4670,-540 4746.08,-540 U5_TB6.14@4787.67,-498.41
NetC1_2: C1.2 L1.2 U1.2 | length 153.7
  Bottom Layer w10: C1.2@821.93,-713.97 ccw(c822.96,-713.97) C1.2@822.96,-715
  Bottom Layer w31.5: C1.2@822.96,-715 L1.2@975,-715
NetC4_2: C4.2 D1.A D3.A F1.2
NetC25_TB1_2: C25_TB1.2 U5_TB1.8 | length 182.5
  Top Layer w5.98: U5_TB1.8@531.25,-2209.49 530.21,-2208.45 530.21,-2208.34 C25_TB1.2@658.16,-2080.38
NetC25_TB2_2: C25_TB2.2 U5_TB2.8 | length 182.5
  Top Layer w5.98: U5_TB2.8@1696.25,-2209.49 1695.21,-2208.45 1695.21,-2208.34 C25_TB2.2@1823.16,-2080.38
NetC25_TB3_2: C25_TB3.2 U5_TB3.8 | length 182.5
  Top Layer w5.98: U5_TB3.8@2861.25,-2209.49 2860.21,-2208.45 2860.21,-2208.34 C25_TB3.2@2988.16,-2080.38
NetC25_TB4_2: C25_TB4.2 U5_TB4.8 | length 182.5
  Top Layer w5.98: U5_TB4.8@4026.25,-2209.49 4025.21,-2208.45 4025.21,-2208.34 C25_TB4.2@4153.16,-2080.38
NetC25_TB5_2: C25_TB5.2 U5_TB5.8 | length 182.5
  Top Layer w5.98: U5_TB5.8@5191.25,-2209.49 5190.21,-2208.45 5190.21,-2208.34 C25_TB5.2@5318.16,-2080.38
NetC25_TB6_2: C25_TB6.2 U5_TB6.8 | length 181
  Top Layer w5.98: C25_TB6.2@4725.38,-276.84 U5_TB6.8@4853.34,-404.79
NetC36_2: C36.2 R23.1 R25.2 | length 202.9
  Bottom Layer w5.98: R25.2@391.03,-882.87 C36.2@495,-882.87 R23.1@593.97,-882.87
NetC39_2: C40.2 D6.2 L3.3 U6.15 | length 576.7
  Top Layer w5.98: L3.3@1550,-740 C40.2@1550,-670
  Top Layer w10: L3.3@1550,-740 1687.93,-740 cw(c1687.93,-757.07) 1700,-745 ccw(c1706.27,-738.73) 1706.27,-747.6 D6.2@1779.37,-747.6 1865.92,-747.6 cw(c1865.92,-824.08) 1920,-770 ccw(c1944.14,-745.86) 1944.14,-780 U6.15@2046,-780
NetC40_2: C39.2 D6.1 L3.4 U6.17 | length 589.6
  Top Layer w5.98: C39.2@1550,-910 L3.4@1550,-838.43
  Top Layer w10: L3.4@1550,-838.43 1681.73,-838.43 ccw(c1681.73,-826.73) 1690,-835 cw(c1720.42,-865.42) 1720.42,-822.4 D6.1@1779.37,-822.4 1839.58,-822.4 cw(c1839.58,-865.42) 1870,-835 1885.71,-850.71 ccw(c1956.42,-780) 1956.42,-880 U6.17@2046,-880
NetD2_K: D2.K R1.2 | length 93.5
  Top Layer w5.98: R1.2@1750,-160 1750,-252.04 D2.K@1751.03,-253.07
NetD4_TB1_A: D4_TB1.A U4_TB1.6 | length 95.6
  Top Layer w5.98: U4_TB1.6@380,-1437.98 D4_TB1.A@380,-1342.4
NetD4_TB1_K: D4_TB1.K D4_TB2.K D4_TB3.K D4_TB4.K D4_TB5.K D4_TB6.K R3.2 | length 5929.9
  Top Layer w5.98: D4_TB1.K@287.48,-1305 v1(340,-1305) ; v1(1395,-1325) 1415,-1305 D4_TB2.K@1452.48,-1305 ; v1(2565,-1325) 2585,-1305 D4_TB3.K@2617.48,-1305 ; v1(3625,-1325) 3645,-1305 D4_TB4.K@3703.74,-1305 ; D4_TB6.K@3925,-647.52 3925,-685 v1(3945.41,-705.41) ; v1(3945,-1080) 4185.87,-1320.87 4645.87,-1320.87 4667.6,-1342.6 D4_TB5.K@4717.48,-1342.6
  Bottom Layer w5.98: v1(340,-1305) 360,-1325 430,-1325 v1(1395,-1325) v1(2565,-1325) v1(3625,-1325) 3700,-1325 v1(3945,-1080) 3945.21,-1079.79 3945.21,-705.62 v1(3945.41,-705.41) 3945.41,-420.41 3875,-350 R3.2@3632.87,-350
NetD4_TB2_A: D4_TB2.A U4_TB2.6 | length 95.6
  Top Layer w5.98: U4_TB2.6@1545,-1437.98 D4_TB2.A@1545,-1342.4
NetD4_TB3_A: D4_TB3.A U4_TB3.6 | length 95.6
  Top Layer w5.98: U4_TB3.6@2710,-1437.98 D4_TB3.A@2710,-1342.4
NetD4_TB4_A: D4_TB4.A U4_TB4.6 | length 158.2
  Top Layer w5.98: D4_TB4.A@3796.26,-1342.4 3847.4,-1342.4 3875,-1370 U4_TB4.6@3875,-1437.98
NetD4_TB5_A: D4_TB5.A U4_TB5.6 | length 322.8
  Top Layer w5.98: D4_TB5.A@4810,-1380 4855,-1380 4890,-1345 5015,-1345 5040,-1370 U4_TB5.6@5040,-1437.98
NetD4_TB6_A: D4_TB6.A U4_TB6.6 | length 120.6
  Top Layer w5.98: D4_TB6.A@3962.4,-555 U4_TB6.6@4082.98,-555
NetD7_A: D7.A R26.1 | length 84
  Bottom Layer w5.98: R26.1@3145,-487.87 D7.A@3228.97,-487.87
NetR2_1: R2.1 U7.14 | length 303.8
  Top Layer w5.98: U7.14@3271.73,-491.42 3271.73,-389.37 v1(3355,-306.1)
  Bottom Layer w5.98: v1(3355,-306.1) R2.1@3438.98,-306.1
NetR2_2: R2.2 U4_TB1.5 U4_TB2.5 U4_TB3.5 U4_TB4.5 U4_TB5.5 U4_TB6.5 | length 6749.2
  Top Layer w5.98: U4_TB1.5@430,-1439.12 U4_TB1.5@430,-1437.98 v1@430,-1366.14 ; U4_TB2.5@1595,-1438.14 v1(1595,-1365.16) ; U4_TB3.5@2760,-1438.14 U4_TB3.5@2760,-1437.98 v1(2760,-1365.16) ; v1(3848.43,-1249.02) 3925,-1325.59 U4_TB4.5@3925,-1437.98 ; v1(3990,-505) U4_TB6.5@4082.98,-505 ; v1(3990.16,-1058.07) 4212.6,-1280.51 5028.54,-1280.51 5090,-1341.97 U4_TB5.5@5090,-1437.98
  Bottom Layer w5.98: v1(430,-1365) 1695,-1365 2760,-1365 2760.16,-1365.16 3732.28,-1365.16 v1(3848.43,-1249.02) 3848.43,-1246.57 3990,-1105 3990,-405 3990,-390 3906.1,-306.1 R2.2@3505.91,-306.1
NetR3_1: R3.1 U7.13 | length 378.9
  Top Layer w5.98: U7.13@3291.42,-491.42 3291.42,-413.58 v1(3355,-350)
  Bottom Layer w5.98: v1(3355,-350) 3355.3,-349.7 3565.65,-349.7 R3.1@3565.94,-349.41
NetR4_1: R4.1 U7.12 | length 198.9
  Top Layer w5.98: U7.12@3311.1,-491.42 3311.1,-438.58 v1(3355,-394.68)
  Bottom Layer w5.98: v1(3355,-394.68) R4.1@3438.98,-394.68